# Altium PCB MOTHER_BOARD_LS1021_v1.0.PcbDoc (part 3 of 15) (continued)
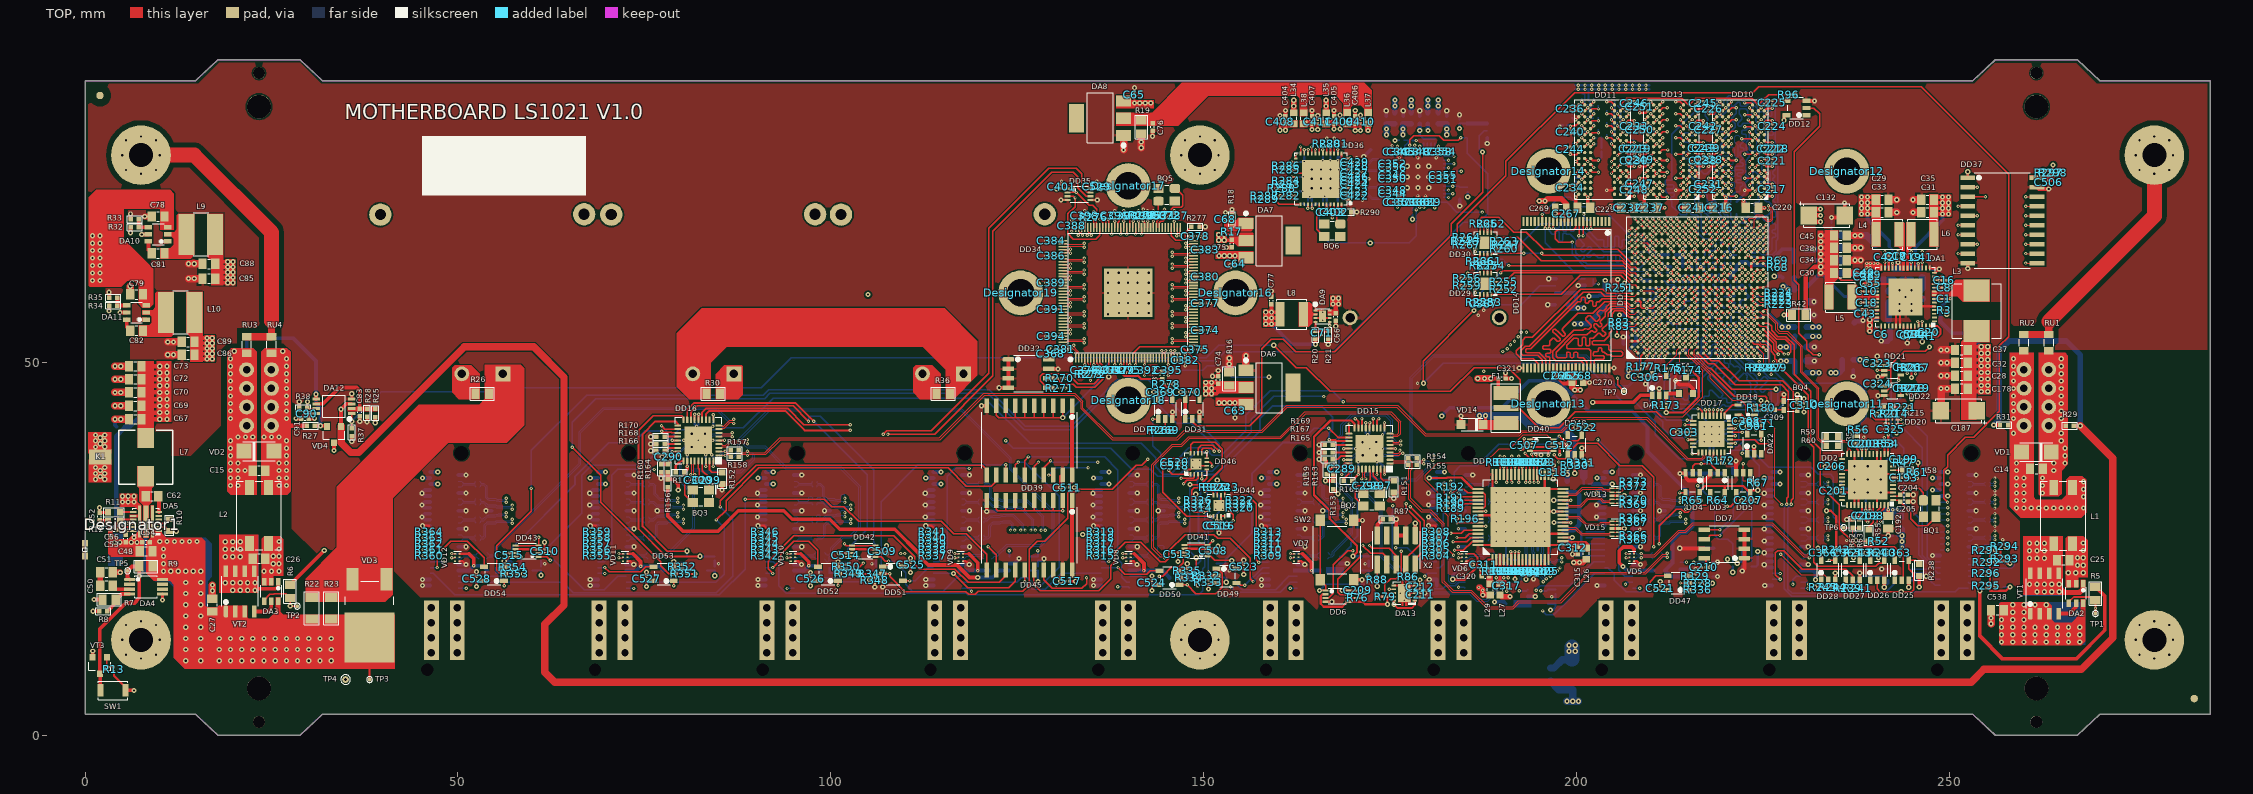
[diagram p0: TOP view]
## Part data (continued)
DD21 DD22: "Микросхема SN74AUP1T34DCKR", Manufactory="Texas Instruments", Function="1-Bit Unidirectional Voltage-Level Translator"
DD23 DD31: "Микросхема SN74LVC1G126DBVR", Manufactory="Texas Instruments", Function="Single Bus Buffer Gate With 3-State Outputs"
DD24: "Микросхема DP83867ERGZ", Manufactory="Texas Instruments", Function="10/100/1000 Ethernet Physical  Layer Transceiver"
DD29 DD30: library part TS3A44159, "Микросхема TS3A44159RGTR", Manufactory="Texas Instruments", Function="4-channel 2:1 analog switch with low on-state resistance (0.45 ?)"
DD32: library part AT24C32E, "Микросхема AT24C32E-SSHM-T", Manufactory="Microchip Technology", Function="Память EEPROM I2C 32 Кбит"
DD33 DD47 DD48 DD49 DD50 DD51 DD52 DD53 DD54: "Микросхема SN74AHC1G09DBVR", Manufactory="Texas instruments", Function="Single 2–Input Positive-AND Gate With Open-Drain Output"
DD34: "Микросхема 88E6390-xxTLA2I000", Manufactory="Marvell Technology", Function="11-Port AVB GE Switch, 8 GE PHYs + 1 RGMII/MII/RMII + 2 2.5G Serdes/SGMII"
DD35: "Level-Translating FM+ I2C Bus Repeater TCA9617BDGKR"
DD36: "Микросхема KSZ9031RNXIC", Manufactory="Microchip Technology", Function="Gigabit Ethernet Transceiver with GMII/MII Support with Low Power Features"
DD37 DD39 DD45: "Микросхема SN74LVC245ADWR", Manufactory="Texas Instruments", Function="Octal Bus Transceiver With 3-State Outputs"
DD38: "Микросхема SN74LVC2G125DCUT", Manufactory="Texas Instruments", Function="Dual Bus Buffer Gate With 3-State Outputs"
DD40 DD41 DD42 DD43: "Микросхема TCA9406DCU", Manufactory="Texas Instruments", Function="2-Bit Bidirectional 1-MHz I2C Bus and SMBus Voltage-Level Shifter"
DD44 DD46: "Микросхема TCA6408ARGTR", Manufactory="Texas Instruments", Function="8-Bit I2C I/O Expander"
F1: "Токовый ограничитель TBU-CA065-200-WH Bourns"
K1: "Точка соединения земель"
L1 L2: library part "WE-SL2 744224", "Фильтр частотный SCM05-9250100N (аналог WE-SL2 744226)"
L3: library part WURTH_74437346010, "Индуктивность SP14-0700301R0M03 (аналог 74437346010 1 мкГн 8 А Wurth Elektronik)", TYPE="Дроссель SDR0403"
L4 L5 L6 L8: library part WURTH_74405042010, "Индуктивность SP07-0400202R2M 2,2 мкГн 4,3 А CHIKARA"
L7: library part WE-HCI_744311100, "Индуктивность SP17-0700401R0M (аналог WE-HCI 744311100 1 мкГн 15 А Wurth Elektronik)"
L9 L10: library part WURTH_744774033, "Дроссель SP03-0605A3R3M 3,3 мкГн 4 А (аналог 744774033  Wurth Elektronik)", TYPE="Дроссель SDR0403"
L11 L12 L13 L14 L15 L16 L17 L18 L19 L20 L21 L22 L23 L24 L25 L26 L27 L28 L29 L34 L35 L36 L37 L38: library part BLM18PG121SN1D, "Индуктивность SB01-160808121P", Manufactory="CHIKARA Electronics", Function="120 Ohms @ 100MHz 1 Power Line Ferrite Bead 0603 (1608 Metric) 2,2 A"
L30 L31 L32 L33: library part BLM18PG121SN1D, "Фильтр индуктивный WE-CBF 742792625 Wurth Elektronik", TYPE=BLM18PG121SN1D
R1 R3 R13 R47 R52 R53 R54 R76 R79 R86 R88 R96 R143 R144 R145 R146 R147 R148 R149 R150 R171 R173 R174 R175 R178 R179 R180 R231 R247 R283 R284 R285 R286: library part R0201, "Чип-резистор 10 кОм 5% 0201", TYPE="Чип-резистор 0201"
R2 R4 R64 R65 R66 R67 R72 R73 R78 R85 R89 R125 R126 R208 R228 R229 R248 R249 R250 R251 R252 R253 R254 R255 R256 R257 R258 R259 R260 R261 R262 R263 R264 R265 R266 R267 R268 R269 R270 R271 R272 R273 R275 R276 R279 R299 R300 R301 R302 R303 R304 R305 R306 R307 R308 R309 R310 R311 R312 R313 R314 R315 R316 R317 R318 R319 R328 R329 R330 R331 R332 R333 R334 R335 R337 R338 R339 R340 R341 R342 R343 R344 R345 R346 R347 R348 R349 R350 R351 R352 R353 R354 R355 R356 R357 R358 R359 R360 R361 R362 R363 R364: library part R0201, "Чип-резистор 4,7 кОм 5% 0201", TYPE="Чип-резистор 0201"
R5 R6 R7 R9: library part R0805, "Чип-резистор 470 кОм 5% 0805", TYPE="Чип-резистор 0805"
R8: library part R0402, "Чип-резистор 24,9 кОм 1% 0402", TYPE="Чип-резистор 0402"
R10: library part R0603, "Чип-резистор 499 кОм 1% 0603", TYPE="Чип-резистор 0603"
R11: library part R0603, "Чип-резистор 243 кОм 1% 0603", TYPE="Чип-резистор 0603"
R12: library part R0603, "Чип-резистор 6,49 кОм 1% 0603", TYPE="Чип-резистор 0603"
R14: library part R0805, "Чип-резистор 28 кОм 1% 0805", TYPE="Чип-резистор 0805"
R15: library part R0402, "Чип-резистор 6,2 кОм 1% 0402", TYPE="Чип-резистор 0402"
R16 R19 R210: library part R0805, "Чип-резистор 510 Ом 1% 0805", TYPE="Чип-резистор 0805"
R17 R74 R75 R239 R240 R241 R242 R243 R244 R245 R278 R280 R281 R282 R288: library part R0201, "Чип-резистор 1 кОм 1% 0201", TYPE="Чип-резистор 0201"
R18 R176 R212: library part R0402, "Чип-резистор 200 Ом 1% 0402", TYPE="Чип-резистор 0402"
R20: library part R0402, "Чип-резистор 47 кОм 1% 0402", TYPE="Чип-резистор 0402"
R21: library part R0402, "Чип-резистор 56,2 кОм 1% 0402", TYPE="Чип-резистор 0402"
R22 R23: library part R1206, "Чип-резистор 56 Ом 5% 1206", TYPE="Чип-резистор 1206"
R24 R25 R28 R29 R32 R34 R37 R38: library part R0402, "Чип-резистор 82,5 кОм 1% 0402", TYPE="Чип-резистор 0402"
R26 R30 R36: library part R0805, "Чип-резистор 150 кОм 1%(5%) 0805", TYPE="Чип-резистор 0805"
R27 R31: library part R0402, "Чип-резистор 11,8 кОм 1% 0402", TYPE="Чип-резистор 0402"
R33: library part R0402, "Чип-резистор 15 кОм 1% 0402", TYPE="Чип-резистор 0402"
R35: library part R0402, "Чип-резистор 36 кОм 1% 0402", TYPE="Чип-резистор 0402"
R39 R40 R41 R56 R61 R172 R203 R204 R205 R206 R207 R209 R246: library part R0201, "Чип-резистор 330 Ом 5% 0201", TYPE="Чип-резистор 0201"
R42 R43: library part R0805, "Чип-резистор 0,33 Ом 1% 0805", TYPE="Чип-резистор 0805"
R44 R45 R46 R55 R59 R60: library part R0603, "Чип-резистор 5,1 Ом 5% 0603", TYPE="Чип-резистор 0603"
R48 R49 R50 R51: library part R0603, "Чип-резистор 1 Ом 5% 0603", TYPE="Чип-резистор 0603"
R57 R58 R62 R91: library part R0402, "Чип-резистор 100 Ом 5% 0402", TYPE="Чип-резистор 0402"
R63 R90: library part R0402, "Чип-резистор 82 Ом 5% 0402", TYPE="Чип-резистор 0402"
R68 R69 R70 R71 R80 R81 R82 R83 R84 R274 R291 R292 R293 R294 R295 R296 R320 R321 R322 R323 R324 R325 R326 R327: library part R0201_tooth, "Чип-резистор 4,7 кОм 5% 0201", TYPE="Чип-резистор 0201"
R77 R197 R198 R199 R214 R232 R233 R234 R235 R237 R287 R289: library part R0201, "Чип-резистор 2,2 кОм 5% 0201", TYPE="Чип-резистор 0201"
R87: library part R0402, "Чип-резистор 0 Ом 0402", TYPE="Чип-резистор 0402"
R92 R93: library part R0603, "Чип-резистор 162 Ом 1% 0603", TYPE="Чип-резистор 0603"
R94 R95 R99 R238: library part R0603, "Чип-резистор 240 Ом 1% 0603", TYPE="Чип-резистор 0603"
R97 R98 R100 R101 R102 R103 R104 R105 R106 R107 R108 R109 R110 R111 R112 R113 R114 R115 R116 R117 R118 R119 R120 R121 R122 R123 R124 R181 R182 R183 R184 R185 R186 R187 R188 R189 R190 R191 R192 R193 R194 R195 R196 R200 R201 R202 R226 R227: library part R0201, "Чип-резистор 33  Ом 5% 0201", TYPE="Чип-резистор 0201"
R127 R128 R129 R130 R131 R132 R133 R134 R135 R136 R137 R138 R139 R140 R141 R142: library part R0402, "Чип-резистор 4,7 Ом 5% 0402", TYPE="Чип-резистор 0402"
R151 R152: library part R0603, "Чип-резистор 12 кОм 1% 0603", TYPE="Чип-резистор 0603"
R153 R154 R155 R156 R157 R158: library part R0402, "Чип-резистор 0 Ом 5% 0402", TYPE="Резистор чип 4,7 Ом 5% 0402"
R159 R160 R161 R162 R163 R164 R165 R166 R167 R168 R169 R170: library part R0402, "Чип-резистор 100 кОм 5% 0402", TYPE="Чип-резистор 0402"
R177 R216 R217 R218 R219 R220 R221 R222 R223 R224 R225 R297 R298 R336 R365 R366 R367 R368 R369 R370 R371 R372 R373: library part R0201, "Чип-резистор 0,00 Ом 5% 0201", TYPE="Чип-резистор 0201"
R211: library part R0805, "Чип-резистор 9,1 МОм 5% 0805", TYPE="Чип-резистор 0805"
R213: library part R0603, "Чип-резистор 698 Ом 1% 0603", TYPE="Чип-резистор 0603"
R215: library part R0402, "Чип-резистор 200 кОм 5% 0402", TYPE="Чип-резистор 0402"
R230: library part R0603, "Чип-резистор 2,49 кОм 1% 0603", TYPE="Чип-резистор 0603"
R236: library part R0603, "Чип-резистор 11 кОм 1% 0603", TYPE="Чип-резистор 0603"
R277: library part R0402, "Чип-резистор 4,99 кОм 1% 0402", TYPE="Чип-резистор 0402"
R290: library part R0402, "Чип-резистор 12,1 кОм 1% 0402", TYPE="Чип-резистор 0402"
RU1 RU2 RU3 RU4: library part WE-VS_82550140, "Варистор WE-VS 82550140 Wurth Elektronik"
SW1: library part B3U-3000P, "Кнопка тактовая B3U-1000P", Manufactory=Omron
SW2: "Кнопка тактовая SMD WS-TASV 430152080826"
TP1 TP2 TP3 TP5: library part TEST_POINT_SMD, "Контрольная точка SMD"
TP4: library part TEST_POINT, "Контрольная точка DIP"
TP6 TP7: "Контрольная точка SMD"
VD1 VD2: "Диод TVS симметричный SMAJ15CA SMA (DO-214AC)"
VD3: "Диодная сборка с общим катодом STPS15L45CB DPAK"
VD4: "Диодная сборка с общим катодом BAT54C SOT-23"
VD5 VD6 VD7 VD8 VD9 VD10 VD11 VD12: "Диодная сборка защитная интерфейса USB TPD4S012DRYR SON-6 TI"
VD13 VD15: "Сборка диодная TVS SP3010-04UTG"
VD14: "Диод TVS SMF5.0AT1G SOD-123"
VD16 VD17 VD18 VD19 VD20 VD21 VD22 VD23: "Диодная сброка ESD защиты WE-TVS 824014881 Wurth Elektronik"
VD24 VD25: "Диодная сброка ESD защиты SP3304NUTG uDFN-10 Littelfuse"
VT1 VT2: "Транзистор MOSFET P-Channel IRF7241 SOIC-8"
VT3 VT4: library part 2N7002K, "Транзистор MOSFET N-Channel IRLML6246TR SOT-23"
X1: library part WA-BCPH_79578211, "Держатель элемента 2450 WA-BCPH 79578211 Wurth Elektronik"
X2: "PLLD1.27-10s"
X3 X4 X5 X6 X7 X8 X9 X10 X11 X12: library part MOLEX_76861_1120, "Разъём Amphenol CE1204000110111"
X13 X14: library part PLS-2, "Разъём MOLEX 46112-0201", Function="Вилка штыревая на плату PLS-2 2 контакта шаг 2,54"

## Free pads (board coordinates)
  round 8 hole 3.2: 1(7.5,77.8) 1(7.5,12.8) 1(149.5,77.8) 1(149.5,12.8) 1(277.5,77.8) 1(277.5,12.8)
  round 3.2 hole 3.2 unplated: 1(23.325,84.3) 1(23.325,6.3) 1(261.675,6.3) 1(261.675,84.3)
  round 1.6 hole 1.6 unplated: 1(23.325,88.8) 1(23.325,1.8) 1(261.675,1.8) 1(261.675,88.8)
  round 1 smd paste-1 mask+0.5: Репер(2,85.8) Репер(282.85,4.925)
  round 1 smd far side paste-1 mask+0.5: Репер(2,85.8) Репер(282.85,4.925)

## Via types
v1: diameter 0.45, hole 0.2, TOP to BOTTOM, tented both sides, 1587 vias
v2: diameter 0.7, hole 0.3, TOP to BOTTOM, tented both sides, 1134 vias
v3: diameter 0.45, hole 0.2, TOP to BOTTOM, tented bottom, 16 vias

## Nets (pads, with @x,y where several pads share a name; then routed paths per layer and width w, separated by ;. In a path a pad name is that pad's centre, name@x,y a point inside that pad or via, vN(x,y) a via of type N, cw(c..) or ccw(c..) an arc to the next point about the centre after c; other vN are vias at no path point)
2D-ACE_D00: DD19.43 DD19.47 R181.2 | length 6
  TOP w0.196: v1(189.25,33.95) DD19.47@189.25,34.975 ; DD19.43@191.25,34.975 R181.2@191.25,36.325 ; DD19.43@191.25,34.975 191.25,34.051 v1(191.35,33.952)
  SIGNAL2 w0.113: v1(189.25,33.95) 189.75,34.45 190.852,34.45 v1(191.35,33.952)
2D-ACE_D01: DD19.42 DD19.46 R182.2 | length 5.4
  TOP w0.196: v1(189.325,36.325) R182.2@189.75,36.325 DD19.46@189.75,34.975 ; DD19.42@191.75,34.975 v1(191.75,36)
  SIGNAL2 w0.113: v1(189.325,36.325) 189.382,36.381 191.368,36.381 v1(191.75,36)
2D-ACE_D02: DD19.41 DD19.45 R183.2 | length 8
  TOP w0.196: DD19.45@190.25,34.975 v1(190.25,36) ; v1@192.25,33.95 DD19.41@192.25,34.975 R183.2@192.25,36.325
  SIGNAL1 w0.113: v1(190.25,36) 190.25,33.625 190.375,33.5 191.8,33.5 v1(192.25,33.95)
2D-ACE_D03: DD19.40 DD19.44 R184.2 | length 6.4
  TOP w0.196: v1(190.675,33.952) 190.75,34.027 DD19.44@190.75,34.975 R184.2@190.75,36.325 ; DD19.40@192.75,34.975 v1(192.75,36)
  SIGNAL1 w0.113: v1(190.675,33.952) 192.723,36 v1(192.75,36)
2D-ACE_D04: DD19.39 DD19.63 R185.2 | length 22.4
  TOP w0.196: v1(183.65,24.825) 184.85,24.825 185.998,25.973 186.748,25.973 DD19.63@186.8,26.025 ; v1(193.2,33.95) 193.25,34 DD19.39@193.25,34.975 R185.2@193.25,36.325
  SIGNAL2 w0.113: v1(183.65,24.825) 182.581,25.894 182.581,27.346 183.316,28.082 184.206,28.082 189.15,33.025 192.275,33.025 v1(193.2,33.95)
2D-ACE_D05: DD19.38 DD19.62 R186.2 | length 21.6
  TOP w0.196: v1(183.45,25.95) 185.275,25.95 185.85,26.525 DD19.62@186.8,26.525 ; v1(193.75,33.95) DD19.38@193.75,34.975 R186.2@193.75,36.325
  SIGNAL2 w0.113: v1(183.45,25.95) 182.794,26.606 182.794,27.258 183.017,27.481 183.718,27.481 183.881,27.319 184.333,27.319 188.815,31.8 191.885,31.8 193.727,33.641 193.727,33.927 v1(193.75,33.95)
2D-ACE_D06: DD19.37 DD19.61 R187.2 | length 22.1
  TOP w0.196: v1(183.975,26.525) 185.1,26.525 185.6,27.025 DD19.61@186.8,27.025 ; R187.2@194.25,36.325 DD19.37@194.25,34.975 194.28,34.945 194.28,33.981 v1(194.309,33.952) v1@194.309,33.891
  SIGNAL2 w0.113: v1(183.975,26.525) 184.25,26.8 189.4,26.8 195.281,32.681 195.281,34.083 194.99,34.375 194.55,34.375 194.374,34.199 194.374,34.016 v1(194.309,33.952)
2D-ACE_D07: DD19.36 DD19.60 R188.2 | length 20.9
  TOP w0.196: v1(183.175,27.1) 184.525,27.1 184.95,27.525 DD19.60@186.8,27.525 ; R188.2@194.75,36.325 DD19.36@194.75,34.975 194.787,34.938 194.787,34.088 194.9,33.975 v1(194.9,33.925)
  SIGNAL2 w0.113: v1(183.175,27.1) 185.025,27.1 187,29.075 190.24,29.075 191.275,30.11 194.836,33.671 194.836,33.861 v1(194.9,33.925)
2D-ACE_D08: DD19.53 DD19.59 R189.2 | length 9.6
  TOP w0.196: R189.2@183.45,30.475 183.595,30.62 183.912,30.62 v1(183.912,30.65) 184.6,30.65 184.975,31.025 DD19.53@186.8,31.025 ; DD19.59@186.8,28.025 v1(187.825,28.025)
  SIGNAL1 w0.113: v1(183.912,30.65) 185.2,30.65 v1(187.825,28.025)
2D-ACE_D09: DD19.52 DD19.58 R190.2 | length 9.5
  TOP w0.196: R190.2@183.45,31.2 v1(183.925,31.2) 184.55,31.2 184.875,31.525 185.4,31.525 DD19.52@186.8,31.525 ; v1(183.975,28.475) 184.025,28.525 DD19.58@186.8,28.525
  SIGNAL1 w0.113: v1(183.925,31.2) 183.922,31.2 183.425,30.703 183.425,29.025 v1(183.975,28.475)
2D-ACE_D10: DD19.51 DD19.55 R191.2 | length 9.1
  TOP w0.196: R191.2@183.45,31.875 v1(183.925,31.875) 184.45,31.875 184.6,32.025 DD19.51@186.8,32.025 ; DD19.55@186.8,30.025 v1(187.825,30.025)
  SIGNAL1 w0.113: v1(183.925,31.875) 185.975,31.875 v1(187.825,30.025)
2D-ACE_D11: DD19.50 DD19.54 R192.2 | length 8.2
  TOP w0.196: R192.2@183.125,33.025 v1(183.125,32.525) 183.131,32.531 183.431,32.531 183.925,33.025 184.9,33.025 185.4,32.525 DD19.50@186.8,32.525 187.48,32.525 187.748,32.257 187.748,30.721 187.552,30.525 DD19.54@186.8,30.525
2D_D00: DD1.H3 R181.1 | length 57.9
  TOP w0.196: R181.1@191.25,36.925 191.3,36.975 v1(191.3,37.4) ; v1(212.65,52.45) DD1.H3@213.05,52.85
  SIGNAL2 w0.113: v1(191.3,37.4) 191.3,37.1 191.806,36.594 192.886,36.594 193.109,36.817 193.109,37.133 192.728,37.515 192.728,37.985 193.485,38.742 193.485,39.141 193.485,41.403 193.442,41.446 193.319,41.568 193.319,41.936 193.442,42.059 193.485,42.102 193.485,42.365 193.25,42.6 193.25,43.995 193.373,44.118 193.704,44.118 193.827,44.24 193.827,44.608 193.704,44.731 193.373,44.731 193.25,44.853 193.25,45.344 193.25,45.65 193.554,45.954 193.728,45.954 193.949,45.733 194.122,45.733 194.382,45.993 194.382,46.167 194.161,46.388 194.161,46.561 194.421,46.821 194.595,46.821 194.867,46.549 195.04,46.549 195.3,46.809 195.3,46.982 194.941,47.341 194.603,47.68 194.603,47.853 194.863,48.113 195.036,48.113 195.375,47.775 195.983,47.166 196.157,47.166 196.417,47.426 196.417,47.6 195.895,48.122 195.895,48.295 196.025,48.425 196.114,48.425 196.604,48.425 196.727,48.302 196.727,47.564 196.849,47.442 197.217,47.442 197.34,47.564 197.34,48.425 197.34,48.593 197.462,48.715 197.83,48.715 197.953,48.593 197.953,48.425 197.953,48.296 198.075,48.173 198.443,48.173 198.566,48.296 198.566,48.425 198.566,48.593 198.688,48.715 199.056,48.715 199.179,48.593 199.179,48.425 199.179,47.564 199.301,47.442 199.669,47.442 199.792,47.564 199.792,48.425 199.792,48.593 199.914,48.715 200.282,48.715 200.405,48.593 200.405,48.425 200.405,47.564 200.527,47.442 200.895,47.442 201.018,47.564 201.018,48.425 201.018,48.593 201.14,48.715 201.508,48.715 201.631,48.593 201.631,48.425 201.631,47.971 201.753,47.848 202.121,47.848 202.243,47.971 202.243,48.302 202.366,48.425 202.55,48.425 203.732,47.243 203.736,47.243 204.227,47.243 204.349,47.121 204.349,46.383 204.472,46.26 204.84,46.26 204.962,46.383 204.962,47.243 204.962,47.386 205.085,47.508 205.453,47.508 205.575,47.386 205.575,47.243 205.575,46.383 205.698,46.26 206.066,46.26 206.188,46.383 206.188,47.243 206.188,47.6 206.311,47.722 206.679,47.722 206.801,47.6 206.801,47.243 206.801,46.383 206.924,46.26 207.292,46.26 207.414,46.383 207.414,47.121 207.537,47.243 207.721,47.243 208.193,47.243 208.95,48 209.4,48 211.075,49.675 211.8,49.675 212.65,50.525 v1(212.65,52.45)
2D_D01: DD1.J3 R182.1 | length 59.7
  TOP w0.196: R182.1@189.75,36.925 v1(189.75,37.4) ; v1(213.45,52.45) DD1.J3@213.85,52.85
  SIGNAL2 w0.113: v1(189.75,37.4) 187.75,37.4 185.85,39.3 185.85,40.375 185.85,43.298 185.707,43.441 185.232,43.441 185.089,43.583 185.089,44.011 185.232,44.154 185.85,44.154 185.993,44.296 185.993,44.724 185.85,44.867 185.232,44.867 185.089,45.009 185.089,45.437 185.232,45.58 185.85,45.58 185.993,45.722 185.993,46.15 185.85,46.293 185.232,46.293 185.089,46.435 185.089,46.863 185.232,47.006 185.85,47.006 185.869,47.006 186.012,47.148 186.012,47.576 185.869,47.718 185.85,47.738 185.85,48.075 185.85,48.575 193.15,55.875 203.96,55.875 208.16,60.075 213.564,60.075 213.831,59.808 213.831,52.831 v1(213.45,52.45)
2D_D02: DD1.J4 R183.1 | length 58.2
  TOP w0.196: R183.1@192.25,36.925 v1(192.25,37.4) ; v1(213.45,53.25) DD1.J4@213.85,53.65
  SIGNAL2 w0.113: v1(192.25,37.4) 192.153,37.497 192.153,38.825 192.153,39.009 192.03,39.132 191.293,39.132 191.17,39.254 191.17,39.622 191.293,39.745 192.153,39.745 192.486,39.745 192.609,39.867 192.609,40.235 192.486,40.358 192.153,40.358 191.293,40.358 191.17,40.48 191.17,40.848 191.293,40.971 192.153,40.971 193.013,40.971 193.135,41.093 193.135,41.461 193.013,41.584 192.153,41.584 191.293,41.584 191.17,41.706 191.17,42.074 191.293,42.197 192.153,42.197 192.897,42.197 193.02,42.319 193.02,42.687 192.897,42.81 192.153,42.81 191.293,42.81 191.17,42.932 191.17,43.3 191.293,43.423 192.153,43.423 192.897,43.423 193.02,43.545 193.02,43.913 192.897,44.036 192.153,44.036 191.293,44.036 191.17,44.158 191.17,44.526 191.293,44.649 192.153,44.649 192.897,44.649 193.02,44.771 193.02,45.139 192.897,45.262 192.275,45.262 192.153,45.384 192.153,45.728 192.283,45.858 192.283,46.031 191.894,46.42 191.894,46.593 192.154,46.853 192.328,46.853 192.803,46.378 193.141,46.04 193.314,46.04 193.574,46.3 193.574,46.474 193.237,46.812 192.761,47.287 192.761,47.46 193.021,47.72 193.195,47.72 193.67,47.245 194.008,46.907 194.181,46.907 194.441,47.167 194.441,47.341 194.103,47.678 193.628,48.154 193.628,48.327 193.888,48.587 194.062,48.587 194.45,48.199 194.624,48.199 195.37,48.945 203.971,48.945 204.266,48.65 205.5,48.65 206.3,49.45 207.9,49.45 208.275,49.075 209.9,49.075 210.825,50 211.65,50 212.25,50.6 212.25,52.6 212.518,52.868 213.068,52.868 v1(213.45,53.25)
2D_D03: DD1.J5 R184.1 | length 59.8
  TOP w0.196: v1(190.325,37.375) 190.325,37.35 R184.1@190.75,36.925 ; v1(213.45,54.05) DD1.J5@213.85,54.45
  SIGNAL2 w0.113: v1(190.325,37.375) 190.325,37.75 190.071,38.004 189.895,38.18 189.743,38.18 189.363,37.8 189.212,37.8 188.859,38.153 188.859,38.304 189.315,38.76 189.443,38.889 189.443,39.04 189.09,39.393 188.939,39.393 188.811,39.264 187.762,38.215 187.61,38.215 187.257,38.568 187.257,38.72 188.306,39.769 188.925,40.387 188.925,40.538 188.572,40.891 188.421,40.891 187.802,40.273 186.754,39.225 186.603,39.225 186.25,39.578 186.25,39.729 187.222,40.701 187.222,40.853 186.95,41.125 186.225,41.85 186.225,48.375 192.5,54.65 203.341,54.65 207.922,59.231 212.419,59.231 213.068,58.582 213.068,54.431 v1(213.45,54.05)
2D_D04: DD1.H5 R185.1 | length 41.4
  TOP w0.196: v1(192.728,36.975) 192.778,36.925 R185.1@193.25,36.925 ; v1(212.65,54.05) DD1.H5@213.05,54.45
  SIGNAL2 w0.113: v1(192.728,36.975) 192.026,36.975 191.85,37.151 191.85,38.25 190.65,39.45 190.65,40.525 190.65,40.739 190.507,40.881 189.943,40.881 189.8,41.024 189.8,41.452 189.943,41.594 190.65,41.594 190.815,41.594 190.957,41.737 190.957,42.165 190.815,42.307 190.65,42.307 189.943,42.307 189.8,42.45 189.8,42.878 189.943,43.02 190.507,43.02 190.65,43.163 190.65,45.15 190.65,45.675 194.85,49.875 208.325,49.875 208.8,50.35 211.2,50.35 211.462,50.612 211.462,52.627 211.699,52.865 212.015,52.865 212.231,53.081 212.231,53.631 v1(212.65,54.05)
2D_D05: DD1.K3 R186.1 | length 42.3
  TOP w0.196: v1(193.109,37.827) 193.084,37.827 193.698,37.213 193.698,36.977 R186.1@193.75,36.925 ; v1(214.25,52.45) DD1.K3@214.65,52.85
  SIGNAL2 w0.113: v1(193.109,37.827) 193.488,37.827 193.918,38.257 193.918,39.99 195.18,41.252 197.279,41.252 199.202,43.175 199.565,43.175 199.78,43.175 199.872,43.267 199.872,44.997 199.964,45.089 200.393,45.089 200.485,44.997 200.485,43.175 200.485,41.353 200.577,41.261 201.006,41.261 201.098,41.353 201.098,43.175 201.098,44.211 201.19,44.303 201.619,44.303 201.711,44.211 201.711,43.175 201.711,42.134 201.803,42.042 202.232,42.042 202.324,42.134 202.324,43.083 202.416,43.175 202.825,43.175 204.675,43.175 208.743,47.243 208.743,47.483 208.892,47.631 210.281,47.631 213.292,50.642 213.292,51.492 v1(214.25,52.45)
2D_D06: DD1.L3 R187.1 | length 41.8
  TOP w0.196: v1(193.975,37.677) 193.975,37.608 194.136,37.447 194.136,37.038 R187.1@194.25,36.925 ; v1(215.05,52.45) DD1.L3@215.45,52.85
  SIGNAL2 w0.113: v1(193.975,37.677) 194.445,38.147 194.656,38.147 194.84,38.147 194.963,38.27 194.963,39.541 195.085,39.664 195.453,39.664 195.576,39.541 195.576,38.147 195.576,38.113 195.698,37.991 196.066,37.991 196.189,38.113 196.189,38.147 196.189,40.115 196.311,40.237 196.679,40.237 196.802,40.115 196.802,38.147 196.924,38.024 197.292,38.024 197.415,38.147 197.415,38.749 197.537,38.872 197.905,38.872 198.028,38.749 198.028,38.147 198.028,37.955 198.15,37.832 198.518,37.832 198.641,37.955 198.641,38.147 198.641,38.496 198.763,38.619 199.131,38.619 199.254,38.496 199.254,38.27 199.376,38.147 199.631,38.147 200.515,39.031 201.381,39.031 201.512,39.162 201.685,39.162 202.056,38.79 202.229,38.79 202.49,39.05 202.49,39.224 202.032,39.682 201.395,40.318 201.395,40.491 201.655,40.751 201.829,40.751 202.378,40.202 202.552,40.202 203.288,40.938 208.575,46.225 209.45,46.225 214.631,51.406 214.631,52.031 v1(215.05,52.45)
2D_D07: DD1.M3 R188.1 | length 42.9
  TOP w0.196: v1(194.559,37.677) 194.698,37.539 194.698,36.977 R188.1@194.75,36.925 ; v1(215.85,52.45) DD1.M3@216.25,52.85
  SIGNAL2 w0.113: v1(194.559,37.677) 194.559,37.586 194.674,37.471 194.674,37.459 195.04,37.093 200.918,37.093 208.012,44.188 208.503,44.678 208.676,44.678 208.94,44.414 209.113,44.414 209.373,44.674 209.373,44.847 209.023,45.198 208.654,45.566 208.654,45.74 208.914,46 209.088,46 209.456,45.631 209.807,45.281 209.98,45.281 210.24,45.541 210.24,45.714 209.89,46.065 209.827,46.127 209.827,46.301 210.087,46.561 210.26,46.561 210.386,46.561 210.694,46.869 210.694,46.994 ; 210.706,46.982 210.706,47.155 210.966,47.415 211.14,47.415 211.19,47.365 211.798,46.757 211.972,46.757 212.232,47.017 212.232,47.19 211.623,47.798 211.573,47.849 211.573,48.022 211.833,48.282 212.007,48.282 212.057,48.232 212.537,47.752 212.711,47.752 212.971,48.012 212.971,48.185 212.49,48.665 212.44,48.716 212.44,48.889 212.7,49.149 212.873,49.149 212.924,49.099 213.532,48.491 213.705,48.491 213.965,48.751 213.965,48.924 213.357,49.532 213.307,49.583 213.307,49.756 213.567,50.016 213.74,50.016 213.791,49.966 214.399,49.358 214.572,49.358 214.832,49.618 214.832,49.791 214.224,50.399 214.174,50.45 214.174,50.623 214.434,50.883 214.607,50.883 214.658,50.833 215.266,50.225 215.439,50.225 215.699,50.485 215.699,50.658 215.178,51.179 215.178,51.353 215.308,51.483 215.431,51.606 215.431,52.031 v1(215.85,52.45)
2D_D08: DD1.M4 R189.1 | length 59.7
  TOP w0.196: v1(182.35,30.475) R189.1@182.85,30.475 ; v1(215.85,53.25) DD1.M4@216.25,53.65
  SIGNAL2 w0.113: v1(182.35,30.475) 183.2,29.625 184.475,29.625 184.736,29.886 184.875,30.025 184.875,30.145 184.35,30.67 184.35,30.789 184.629,31.068 184.748,31.068 185.333,30.483 185.344,30.472 185.463,30.472 185.742,30.751 185.742,30.87 185.731,30.881 184.524,32.088 184.524,32.208 184.803,32.486 184.922,32.486 186.129,31.279 186.14,31.268 186.259,31.268 186.538,31.547 186.538,31.667 186.527,31.677 185.532,32.672 185.532,32.792 185.811,33.071 185.93,33.071 186.925,32.075 186.936,32.065 187.055,32.065 187.334,32.343 187.334,32.463 187.323,32.473 186.675,33.122 186.675,33.241 186.954,33.52 187.073,33.52 187.662,32.931 187.781,32.931 187.925,33.075 187.925,34.241 188.934,35.25 196.741,35.25 197.523,34.468 199.81,34.468 200.166,34.825 200.875,34.825 210.85,44.8 211.934,44.8 216.65,49.516 216.65,52.625 216.089,53.186 215.914,53.186 v1(215.85,53.25)
2D_D09: DD1.K4 R190.1 | length 59.7
  TOP w0.196: v1(182.35,31.2) R190.1@182.85,31.2 ; v1(214.25,53.25) DD1.K4@214.65,53.65
  SIGNAL2 w0.113: v1(182.35,31.2) 182.933,31.2 183.543,31.81 183.543,32.482 184.412,33.35 186.35,33.35 188.6,35.6 197.275,35.6 198.35,36.675 201.05,36.675 201.525,37.15 202.175,37.15 202.203,37.178 203.439,38.414 203.439,38.544 203.144,38.839 203.144,38.969 203.447,39.273 203.577,39.273 203.937,38.912 204.21,38.64 204.34,38.64 204.644,38.943 204.644,39.073 204.371,39.346 204.011,39.706 204.011,39.836 204.314,40.14 204.444,40.14 204.804,39.779 205.077,39.507 205.207,39.507 205.51,39.81 205.51,39.94 205.238,40.213 204.878,40.573 204.878,40.703 205.181,41.006 205.311,41.006 205.671,40.646 205.944,40.374 206.074,40.374 206.377,40.677 206.377,40.807 206.105,41.08 205.745,41.44 205.745,41.57 206.048,41.873 206.178,41.873 206.538,41.513 206.811,41.241 206.941,41.241 207.244,41.544 207.244,41.674 206.972,41.947 206.612,42.307 206.612,42.437 206.915,42.74 207.045,42.74 207.405,42.38 207.678,42.108 207.808,42.108 208.111,42.411 208.111,42.541 207.839,42.814 207.478,43.174 207.478,43.304 207.782,43.607 207.912,43.607 208.272,43.247 208.545,42.974 208.675,42.974 208.978,43.278 208.978,43.408 208.771,43.615 208.771,43.746 208.922,43.897 210.575,45.55 212.075,45.55 216.231,49.706 216.231,52.627 216.027,52.831 214.668,52.831 v1(214.25,53.25)
2D_D10: DD1.K5 R191.1 | length 60
  TOP w0.196: v1(182.3,32.925) 182.3,32.425 R191.1@182.85,31.875 ; v1(214.25,54.05) DD1.K5@214.65,54.45
  SIGNAL2 w0.113: v1(182.3,32.925) 182.49,32.925 183.695,34.13 183.695,38.85 183.695,39.064 183.837,39.207 183.844,39.207 183.987,39.349 183.987,39.777 183.844,39.919 183.837,39.919 183.695,40.062 183.695,42.65 183.695,47.095 192.95,56.35 203.625,56.35 206.679,59.404 206.679,59.836 207.268,60.425 214.288,60.425 214.668,60.045 214.668,54.468 v1(214.25,54.05)
2D_D11: DD1.L5 R192.1 | length 58.5
  TOP w0.196: R192.1@183.125,33.625 v1(183.125,34.1) ; v1(215.05,54.05) DD1.L5@215.45,54.45
  SIGNAL2 w0.113: v1(183.125,34.1) 183.125,47.375 192.45,56.7 203.2,56.7 207.275,60.775 214.55,60.775 215.431,59.894 215.431,54.709 215.255,54.533 215.255,54.255 v1(215.05,54.05)
6390_INT: DD1.W7 DD34.18 R275.2 | length 104.5
  TOP w0.196: DD34.18@139.675,50.575 R275.2@139.675,49.275 140.247,49.275 140.458,49.064 v1(140.489,49.064) ; DD1.W7@221.85,56.05 v1(222.25,55.65)
  SIGNAL2 w0.113: v1(140.489,49.064) 140.489,49.828 140.835,50.175 150.5,50.175 158.775,58.45 163.325,58.45 172.925,68.05 186.6,68.05 187.418,67.232 194.993,67.232 202.425,59.8 203.65,59.8 204.375,60.525 204.375,62.225 205.418,63.268 208.008,63.268 215.171,63.268 216.008,62.431 220.008,62.431 220.231,62.208 220.231,61.452 221.031,60.652 221.031,56.868 v1(222.25,55.65)
+1V1: C71.2 C77.2 C376.2 C379.2 C382.2 C385.2 C388.2 C390.2 DD34.4 DD34.16 DD34.36 DD34.84 DD34.92 DD34.108 L8.2 L33.1 R20.2 X3.31 | length 129.5
  TOP w0.2: C388.2@132.325,68.075 DD34.108@132.875,68.075 ; v1(134.075,49.7) DD34.4@134.075,50.575 ; v1(138.875,49.7) DD34.16@138.875,50.575 ; DD34.92@139.275,68.075 v1(139.275,68.925) ; DD34.84@142.475,68.075 142.507,68.107 v1(142.507,68.953) ; DD34.36@146.875,50.575 C382.2@147.525,50.575
  TOP w0.3: v1(132.325,67.625) C388.2@132.325,68.075 ; C376.2@134.075,49.25 v1(134.075,49.7) ; C379.2@138.875,49.25 v1(138.875,49.7) ; v1(139.275,68.925) C390.2@139.275,69.375 ; C385.2@142.475,69.375 142.475,68.925 142.503,68.953 v1(142.507,68.953) ; C382.2@147.525,50.575 v1(147.525,51.05) ; R20.2@165,53.175 165.325,53.175 C71.2@165.875,53.725
  TOP w0.5: v2(159.1,55.15) L8.2@159.975,55.15 ; v2(159.1,55.95) L8.2@159.975,55.95 ; C77.2@159.1,57.8 v2(159.1,56.75) L8.2@159.975,56.75 ; v2(165,52.45) R20.2@165,53.175
  GND+PWR2 w1: v2(159.1,55.15) 163.875,50.375 200.325,50.375 215.175,35.525 224.05,35.525 227.95,39.425 232.725,39.425 234.725,37.425 240.8,37.425 242.05,38.675 247.075,38.675 248.775,36.975 248.775,33.125 v2(249.8,32.1)
  BOTTOM w0.5: v2(159.1,55.15) 161.8,52.45 v2(165,52.45) ; X3.31@248.775,32.1 v2(249.8,32.1)
  BOTTOM w0.75: L33.1@181.475,83.525 v2(181.475,84.4) v2(181.475,85.2)
  other v2: 158.325,55.15 158.325,55.95 158.325,56.75
+1V2: C76.2 DA8.2 L36.1 L37.1 L38.1 R19.2